# Altium PCB PCB1.PcbDoc
Units mm, origin at the board's own origin, x right, y up, seen from the top; angles counter-clockwise.
Board outline 95 x 45 mm, 2 copper layers (Top Layer, Bottom Layer); 61 components, 40 nets, 164 pads, 20 vias.
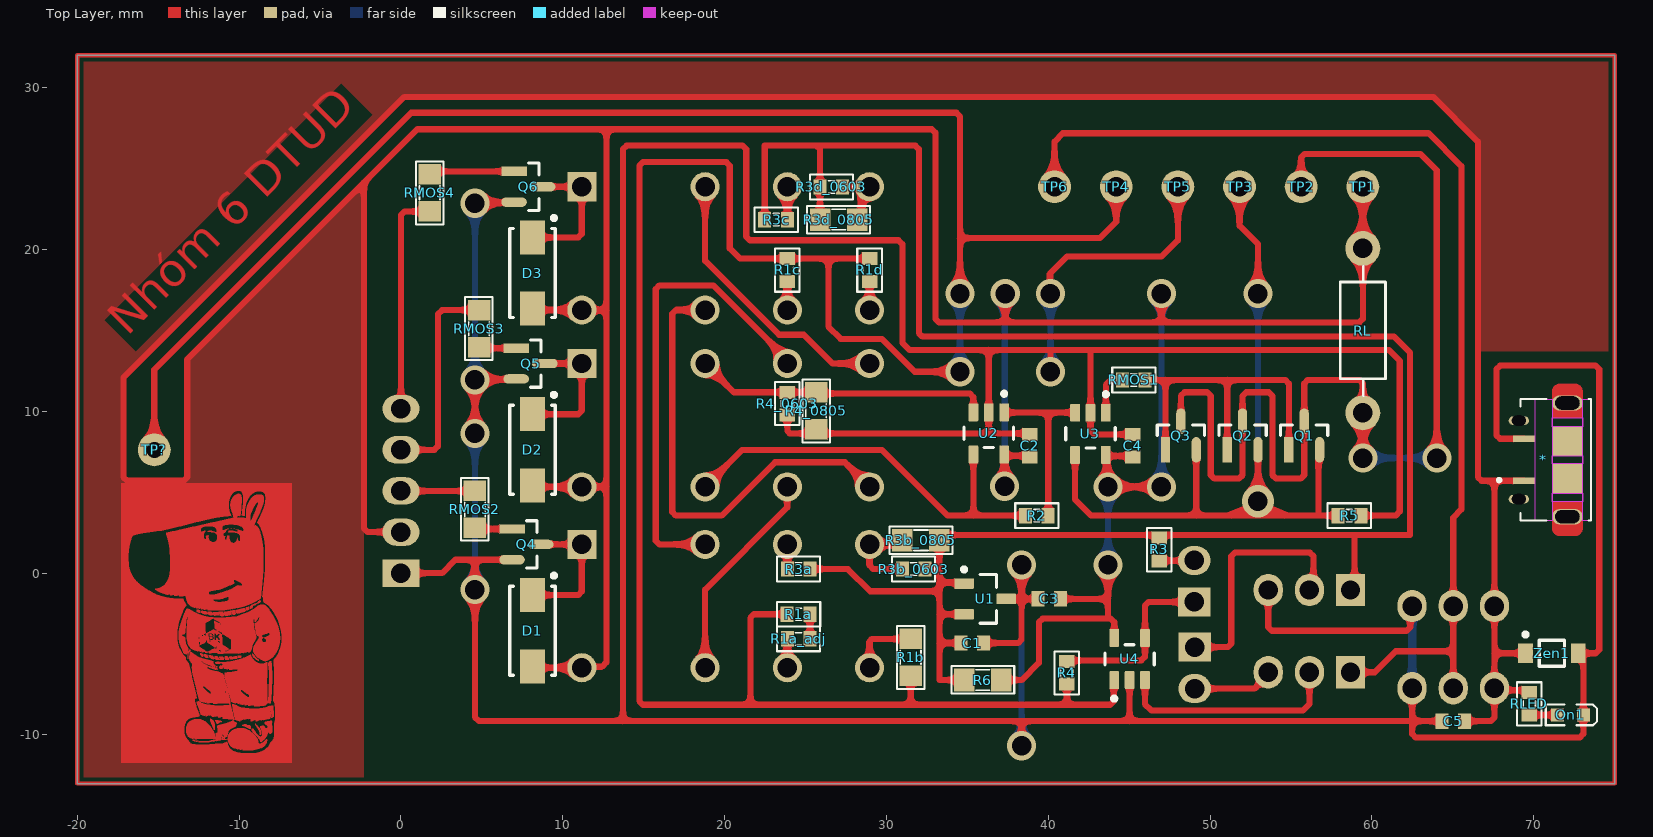
[diagram p0: Top Layer view]
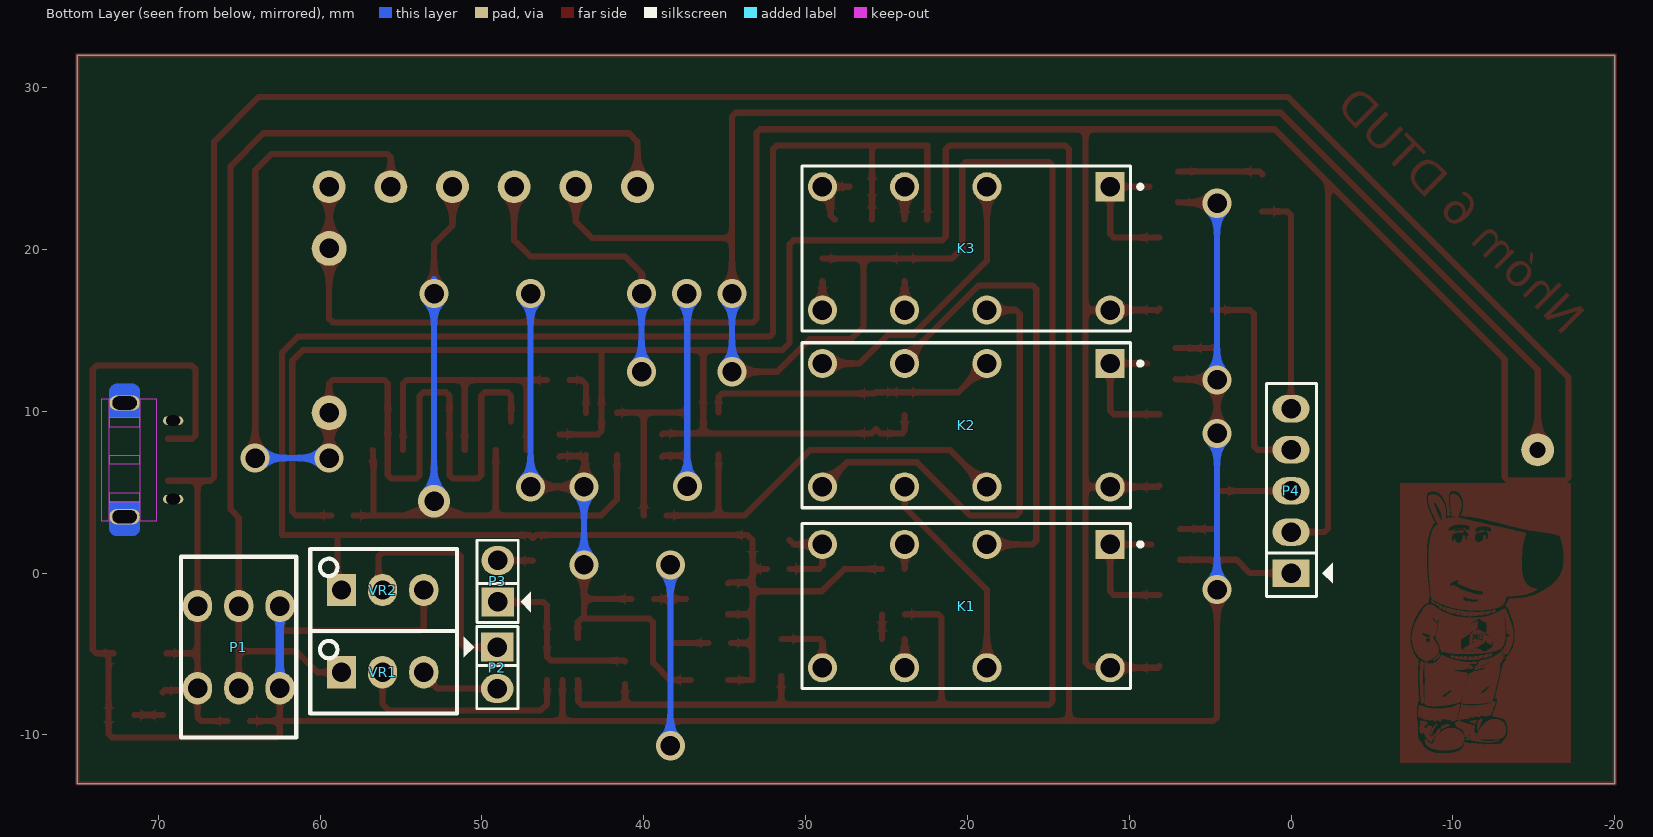
[diagram p1: Bottom Layer view, seen from below]
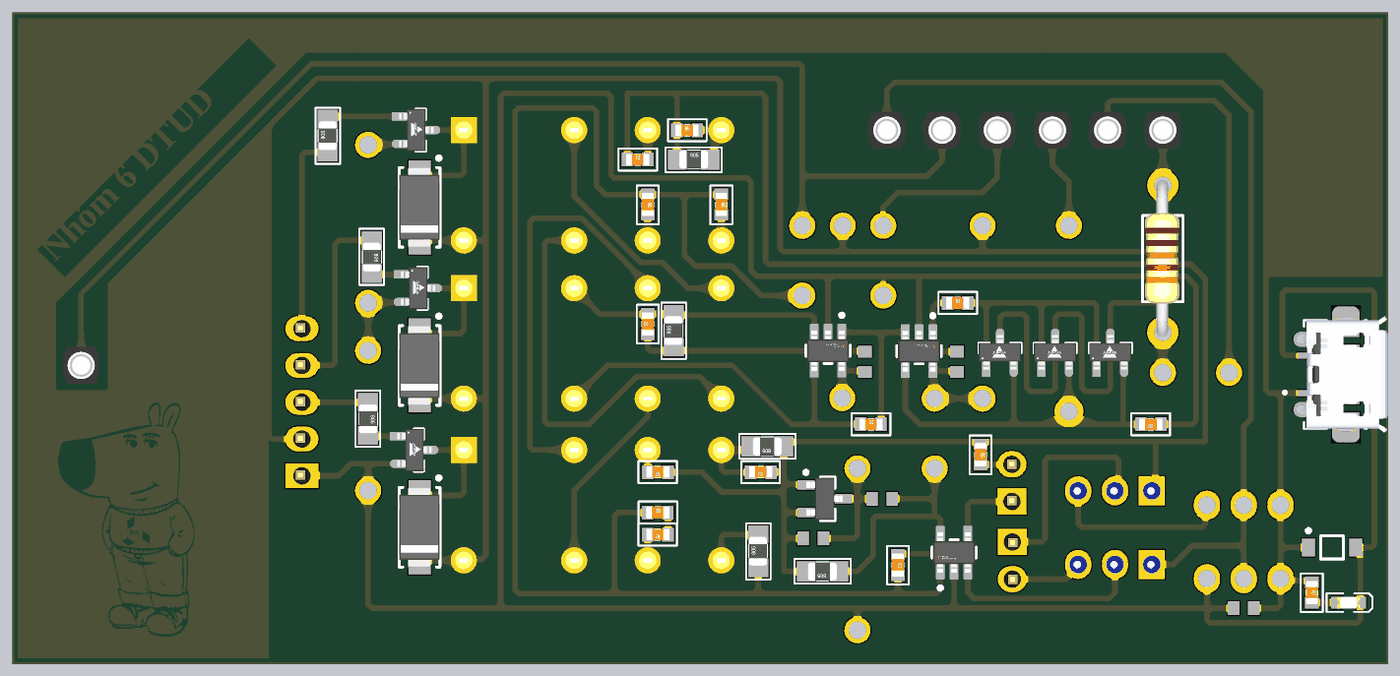
[diagram p2: 3D render of the assembled board from above, using the file's embedded part models]
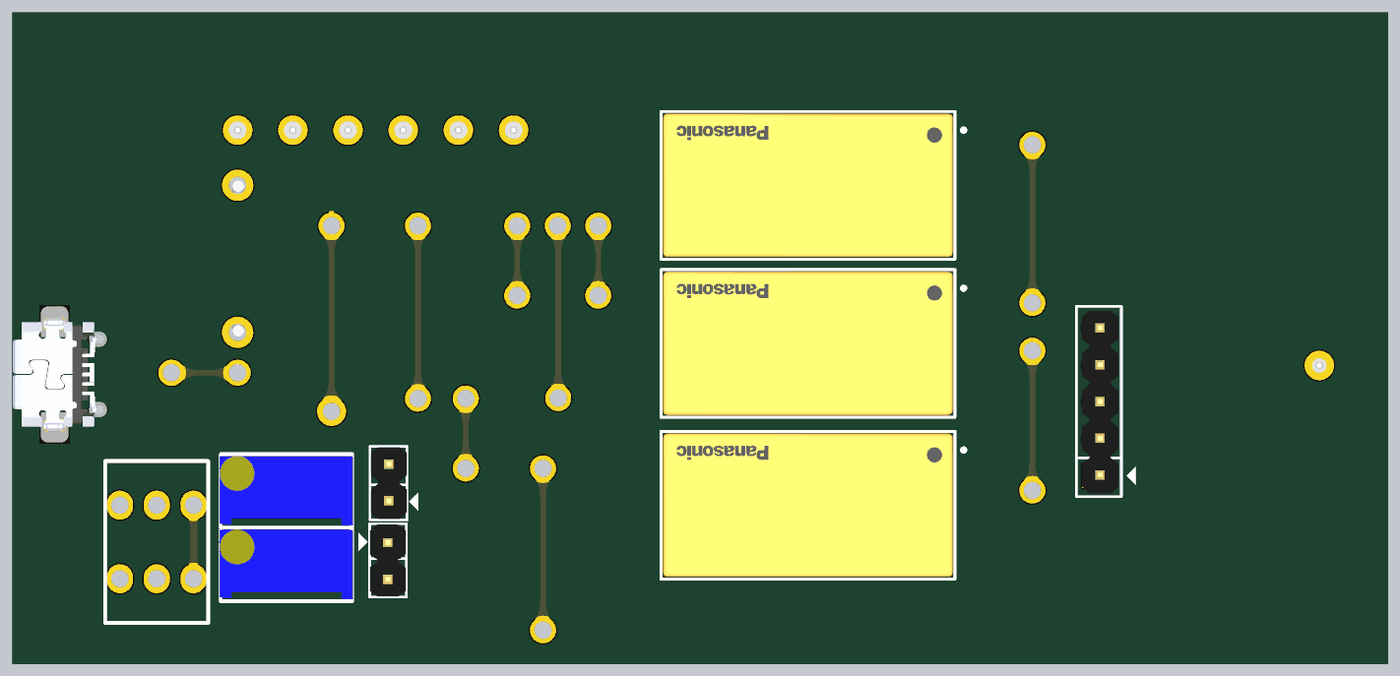
[diagram p3: 3D render of the assembled board from below, using the file's embedded part models]

## Layer stack, top to bottom
Top Solder: solder mask 0.0102, Solder Resist, Dk 3.5
Top Layer: signal copper 0.0356
Dielectric 1: dielectric 0.32, FR-4, Dk 4.8
Bottom Layer: signal copper 0.0356
Bottom Solder: solder mask 0.0102, Solder Resist, Dk 3.5

## Board outline
-20,-13 -20,32 75,32 75,-13

## Design rules (kind name [scope] priority, off if disabled: settings)
Clearance [All] p1: gap=0.254 ignorepadtopadclearanceinfootprint=FALSE
PolygonConnect [All] p1: connectstyle=Relief reliefconductorwidth=0.254 reliefentries=4 polygonreliefangle="90 Angle" airgapwidth=0.254
RoutingVias [All] p1: holewidth=1.2 width=1.8 viastyle="Through Hole" minholewidth=1.2 minwidth=1.8 maxholewidth=1.2 maxwidth=2
SolderMaskExpansion [All] p1: expansion=0.102 istentingtop=FALSE
SupplyNets "Schematic Supply Nets_5" [InNet('GND')] p1: voltage=0.000
SupplyNets "Schematic Supply Nets_4" [InNet('cd')] p2: voltage=0.000
SupplyNets "Schematic Supply Nets_3" [InNet('ab')] p3: voltage=0.000
SupplyNets "Schematic Supply Nets_2" [InNet('Vref')] p4: voltage=0.000
SupplyNets "Schematic Supply Nets_1" [InNet('bc')] p5: voltage=0.000
SupplyNets "Schematic Supply Nets" [InNet('VCC')] p6: voltage=0.000
Width [All] p1: maxlimit=0.762 minlimit=0.254 preferedwidth=0.508 toplayer_prefwidth=0.381 minimp=50.000000 maximp=50.000000 favimp=50.000000
30 further rules are at their usual default settings.

## Components (designator, comment, footprint, x,y, rotation, side; value= is the part's Value field where it differs from the comment)
* "USB_B" USB_B 72,7 r90 top
C1 "Cap Non-Pol SMD" CAP-SM-0603 35.306,-4.318 r180 top value=22u
C2 "Cap Non-Pol SMD" CAP-SM-0603 38.862,7.874 r270 top value=22u
C3 "Cap Non-Pol SMD" CAP-SM-0603 40.054,-1.59 r0 top value=22u
C4 "Cap Non-Pol SMD" CAP-SM-0603 45.212,7.874 r270 top value=22u
C5 "Cap Non-Pol SMD" CAP-SM-0603 65.024,-9.144 r0 top value=22u
D1 "D Schottky" SS34 8.128,-3.556 r270 top
D2 "D Schottky" SS34 8.128,7.62 r270 top
D3 "D Schottky" SS34 8.128,18.542 r270 top
K1 "HK19F-DC5V-SHG" FP-DS2Y-S-DC48V-MFG 20.066,-2.032 r0 bottom
K2 "HK19F-DC5V-SHG" FP-DS2Y-S-DC48V-MFG 20.066,9.144 r0 bottom
K3 "HK19F-DC5V-SHG" FP-DS2Y-S-DC48V-MFG 20.066,20.066 r0 bottom
On1 "LED SMD" LED_0603_Blue 72.263,-8.763 r0 top
P1 "Terminal Block" PCBComponent_1 67.564,-2.032 r270 bottom
P2 "Header 2" JP2 49.047,-4.572 r270 bottom
P3 "Header 2" JP2 49.022,-1.778 r90 bottom
P4 "Header 5" JP5 0,0 r90 bottom
Q1 "SI2302DS" FP-S-03946-IPC_B 55.814,8.505 r90 top
Q2 "SI2302DS" FP-S-03946-IPC_B 52.004,8.505 r90 top
Q3 "SI2302DS" FP-S-03946-IPC_B 48.194,8.505 r90 top
Q4 "SI2302DS" FP-S-03946-IPC_B 7.751,1.778 r0 top
Q5 "SI2302DS" FP-S-03946-IPC_B 8.005,12.954 r0 top
Q6 "SI2302DS" FP-S-03946-IPC_B 7.874,23.876 r0 top
R1a "RESISTOR SMD" RES-SM-0603 23.876,-2.54 r0 top value=1K
R1a_adj "RESISTOR SMD" RES-SM-0603 25.262,-4.064 r180 top value=1K
R1b "RESISTOR SMD" RES-SM-0805 31.496,-6.35 r90 top value=1K
R1c "RESISTOR SMD" RES-SM-0603 23.876,19.42 r270 top value=1K
R1d "RESISTOR SMD" RES-SM-0603 28.956,19.42 r270 top value=1K
R2 "RESISTOR SMD" RES-SM-0603 38.594,3.556 r0 top value=1K
R3 "RESISTOR SMD" RES-SM-0603 46.852,2.148 r270 top value=1K
R3a "RESISTOR SMD" RES-SM-0603 25.262,0.254 r180 top value=1K
R3b_0603 "RESISTOR SMD" RES-SM-0603 32.374,0.254 r180 top value=1K
R3b_0805 "RESISTOR SMD" RES-SM-0805 33.274,2.032 r180 top value=1K
R3c "RESISTOR SMD" RES-SM-0603 22.49,21.844 r0 top value=1K
R3d_0603 "RESISTOR SMD" RES-SM-0603 25.908,23.862 r0 top value=1K
R3d_0805 "RESISTOR SMD" RES-SM-0805 25.908,21.844 r0 top value=1K
R4 "RESISTOR SMD" RES-SM-0603 41.148,-5.472 r270 top value=1K
R4_0603 "RESISTOR SMD" RES-SM-0603 23.876,9.79 r90 top value=1K
R4_0805 "RESISTOR SMD" RES-SM-0805 25.654,8.89 r90 top value=1K
R5 "RESISTOR SMD" RES-SM-0603 59.298,3.556 r180 top value=1K
R6 "RESISTOR SMD" RES-SM-0805 37.084,-6.604 r180 top value=1K
RL "RESISTOR" "RES 1/2W" 59.436,9.906 r90 top value=1K
RLED "RESISTOR SMD" RES-SM-0603 69.723,-7.377 r270 top value=1K
RMOS1 "RESISTOR SMD" RES-SM-0603 44.588,11.938 r0 top value=1K
RMOS2 "RESISTOR SMD" RES-SM-0805 4.572,5.08 r270 top value=1K
RMOS3 "RESISTOR SMD" RES-SM-0805 4.826,16.256 r270 top value=1K
RMOS4 "RESISTOR SMD" RES-SM-0805 1.778,22.352 r90 top value=1K
TP1 "Test Point" TP#1 59.436,23.876 r180 top
TP2 "Test Point" TP#1 55.626,23.876 r180 top
TP3 "Test Point" TP#1 51.816,23.876 r180 top
TP4 "Test Point" TP#1 44.196,23.876 r180 top
TP5 "Test Point" TP#1 48.006,23.876 r180 top
TP6 "Test Point" TP#1 40.386,23.876 r180 top
TP? "Test Point" TP#2 -15.24,7.62 r180 top
U1 "TL431" DBZ0003A_M 36.098,-1.59 r0 top
U2 "OPA333" FP-DBV0005A-MFG 36.322,8.636 r270 top
U3 "OPA333" FP-DBV0005A-MFG 42.606,8.606 r270 top
U4 "OPA333" FP-DBV0005A-MFG 45.024,-5.304 r90 top
VR1 "10K" "VARISTOR 2" 56.134,-6.121 r180 bottom value="VR 10K"
VR2 "10K" "VARISTOR 2" 56.134,-1.041 r180 bottom value="VR 10K"
Zen1 "MMSZ4689T1G" ONSC-SOD-123-2-425-04_V 71.12,-4.953 r0 top

## Footprints (in the part's own frame and the unit in brackets; to place one, negate y for a bottom-side part, rotate by r counter-clockwise, add the part's x,y. Pads: shape width x height; smd on the part's side, far side on the other; paste and mask are expansions set on the pad)
CAP-SM-0603 [mm] "SMD Ceramic Capacitor Size 0603"
  rect 0.8x0.95 smd: 1(-0.7,0) 2(0.7,0)
  body extent -0.85,-0.45 0.85,0.45, height 0.6
DBZ0003A_M [mm] "SOT23, 3-Leads, Body 3.04x1.4mm, Pitch 0.95mm, IPC Low Density"
  rrect15% 1.2x0.65 smd: 1(-1.3,0.95) 2(-1.3,-0.95) 3(1.3,0)
  silkscreen extent -1.42,-1.5 0.7,1.95, body extent -1.26,-1.46 1.26,1.46, height 0.96
FP-DBV0005A-MFG [mm]
  rrect17% 1.1x0.6 smd paste+0 mask+0: 1(-1.3,0.95) 2(-1.3,0) 3(-1.3,-0.95) 4(1.3,-0.95) 5(1.3,0.95)
  silkscreen extent -2.57,-1.53 0.87,1.53, body extent -1.95,-1.78 1.95,1.78, height 0.25
FP-DS2Y-S-DC48V-MFG [mm]
  rect 1.8x1.8 hole 1.2 paste-2539.97 mask+0: 1(-8.89,-3.81)
  round 1.8 hole 1.2 paste-2539.97 mask+0: 4(-1.27,-3.81) 6(3.81,-3.81) 8(8.89,-3.81) 9(8.89,3.81) 11(3.81,3.81) 13(-1.27,3.81) 16(-8.89,3.81)
  silkscreen extent -10.87,-5.1 10.15,5.1, body extent -10,-4.95 10,4.95, height 10.5
FP-S-03946-IPC_B [mm]
  rect 1.574x0.576 smd paste+0 mask+0: 1(-0.885,0.95)
  rrect100% 1.574x0.576 smd paste+0 mask+0: 2(-0.885,-0.95) 3(0.885,0)
  silkscreen extent 0,-1.46 0.65,1.46, body extent -1.92,-1.71 1.92,1.71, height 0.25
JP2 [mm]
  rect 1.8x2 hole 1.2: 1(0,0)
  oval 1.8x2 hole 1.2: 2(2.565,0)
  silkscreen extent -1.27,-2.06 3.81,1.27, body extent -1.22,-1.27 3.76,1.23, height 8.22
JP5 [mm] "JP5"
  rect 1.7x2.286 hole 1.2: 1(0,0)
  oval 1.7x2.286 hole 1.2: 2(2.54,0) 3(5.08,0) 4(7.62,0) 5(10.16,0)
  silkscreen extent -1.45,-2.57 11.71,1.52, body extent -1.22,-1.36 11.38,1.14, height 8.22
LED_0603_Blue [mm] "Chip LED, 2-Leads, Body 1.6x0.8mm, IPC Medium Density"
  rect 0.8x0.8 smd: 1(-0.8,0) 2(0.8,0)
  silkscreen extent -1.52,-0.64 1.65,0.64, body extent -0.8,-0.4 0.8,0.4, height 0.7
ONSC-SOD-123-2-425-04_V [mm] "SOD, 2-Leads, Body 2.69x1.6mm"
  rect 0.91x1.22 smd: 1(-1.635,0) 2(1.635,0)
  silkscreen extent -1.76,-0.8 0.78,1.28, body extent -1.35,-0.8 1.35,0.8, height 1.35
PCBComponent_1 [mm]
  oval 2x1.8 hole 1.2: 1(0,0) 1(5.08,0) 2(0,2.54) 2(5.08,2.54) 3(0,5.08) 3(5.08,5.08)
  silkscreen extent -3.05,-1.02 8.13,6.1
"RES 1/2W" [mil] "R 1/2W, 2 pin, 300mil"
  round 85 hole 47.24: 1(0,0) 2(400,0)
  silkscreen extent 42,-55 356,55, body extent -12,-45 414,49, height 91
RES-SM-0603 [mm]
  rect 0.8x0.95 smd: 1(-0.014,0) 2(1.386,0)
  silkscreen extent -0.64,-0.76 2.03,0.76, body extent -0.11,-0.4 1.49,0.4, height 0.3
RES-SM-0805 [mil]
  rect 50x55 smd: 1(0,0) 2(90,0)
  silkscreen extent -32,-34 121,33, body extent 6,-25 84,25, height 31
SS34 [mm] "DO-214-AC/SMA Molded Diode, Body 5.3x2.6mm, IPC Medium Density"
  rect 2.1x1.55 smd: 1(-2.2,0) 2(2.2,0)
  silkscreen extent -3.52,-1.4 2.75,1.45, body extent -2.75,-1.42 2.75,1.38, height 2.3
TP#1 [mil] "Connect 1"
  round 80 hole 47.24: TP1(0,0)
  body extent -50,-50 50,50, height 179
TP#2 [mil] "Connect 1"
  round 80 hole 39: TP1(0,0)
  body extent -50,-50 50,50, height 179
USB_B [mm]
  rect 0.4x1.35 smd mask+0.1: 1(-1.3,2.6) 5(1.3,2.6)
  oval 0.95x1.9 hole 0.825 slot 1.5 at 90 deg mask+0.1: 6(-3.512,-0.075) 6(3.512,-0.075)
  oval 0.525x1.25 hole 0.65 slot 0.85 at 90 deg mask+0.1: 6(-2.425,2.925) 6(2.425,2.925)
  rect 1.8x1.9 smd mask+0.1: 6(-1.15,-0.075) 6(1.15,-0.075)
  Top Layer region: -2.6,-0.075 -3.1,-0.075 -3.1,0.375 -3.1,0.391 -3.102,0.406 -3.104,0.422 -3.107,0.437 -3.11,0.453 -3.115,0.468 -3.12,0.483 -3.126,0.497 -3.133,0.511 -3.14,0.525 -3.148,0.538 -3.157,0.551 -3.167,0.564 -3.177,0.576 -3.188,0.587 -3.199,0.598 -3.211,0.608 -3.224,0.618 -3.237,0.627 -3.25,0.635 -3.264,0.642 -3.278,0.649 -3.292,0.655 -3.307,0.66 -3.322,0.665 -3.338,0.668 -3.353,0.671 -3.369,0.673 -3.384,0.675 -3.641,0.675 -3.656,0.673 -3.672,0.671 -3.687,0.668 -3.703,0.665 -3.718,0.66 -3.733,0.655 -3.747,0.649 -3.761,0.642 -3.775,0.635 -3.788,0.627 -3.801,0.618 -3.814,0.608 -3.826,0.598 -3.837,0.587 -3.848,0.576 -3.858,0.564 -3.868,0.551 -3.877,0.538 -3.885,0.525 -3.892,0.511 -3.899,0.497 -3.905,0.483 -3.91,0.468 -3.915,0.453 -3.918,0.437 -3.921,0.422 -3.923,0.406 -3.925,0.391 -3.925,0.375 -3.925,-0.075 -4.7,-0.075 -4.7,0.375 -4.699,0.401 -4.697,0.427 -4.694,0.453 -4.689,0.479 -4.683,0.504 -4.676,0.53 -4.667,0.554 -4.657,0.578 -4.646,0.602 -4.633,0.625 -4.619,0.647 -4.605,0.669 -4.589,0.69 -4.572,0.71 -4.554,0.729 -4.535,0.747 -4.515,0.764 -4.494,0.78 -4.472,0.794 -4.45,0.808 -4.427,0.821 -4.403,0.832 -4.379,0.842 -4.355,0.851 -4.329,0.858 -4.304,0.864 -4.278,0.869 -4.252,0.872 -4.226,0.874 -4.2,0.875 -2.6,0.875
  Top Layer region: 4.7,-0.525 4.699,-0.551 4.697,-0.577 4.694,-0.603 4.689,-0.629 4.683,-0.654 4.676,-0.68 4.667,-0.704 4.657,-0.728 4.646,-0.752 4.633,-0.775 4.619,-0.797 4.605,-0.819 4.589,-0.84 4.572,-0.86 4.554,-0.879 4.535,-0.897 4.515,-0.914 4.494,-0.93 4.472,-0.944 4.45,-0.958 4.427,-0.971 4.403,-0.982 4.379,-0.992 4.355,-1.001 4.329,-1.008 4.304,-1.014 4.278,-1.019 4.252,-1.022 4.226,-1.024 4.2,-1.025 2.6,-1.025 2.6,-0.075 3.1,-0.075 3.1,-0.525 3.1,-0.541 3.102,-0.556 3.104,-0.572 3.107,-0.587 3.11,-0.603 3.115,-0.618 3.12,-0.633 3.126,-0.647 3.133,-0.661 3.14,-0.675 3.148,-0.688 3.157,-0.701 3.167,-0.714 3.177,-0.726 3.188,-0.737 3.199,-0.748 3.211,-0.758 3.224,-0.768 3.237,-0.777 3.25,-0.785 3.264,-0.792 3.278,-0.799 3.292,-0.805 3.307,-0.81 3.322,-0.815 3.338,-0.818 3.353,-0.821 3.369,-0.823 3.384,-0.825 3.641,-0.825 3.656,-0.823 3.672,-0.821 3.687,-0.818 3.703,-0.815 3.718,-0.81 3.733,-0.805 3.747,-0.799 3.761,-0.792 3.775,-0.785 3.788,-0.777 3.801,-0.768 3.814,-0.758 3.826,-0.748 3.837,-0.737 3.848,-0.726 3.858,-0.714 3.868,-0.701 3.877,-0.688 3.885,-0.675 3.892,-0.661 3.899,-0.647 3.905,-0.633 3.91,-0.618 3.915,-0.603 3.918,-0.587 3.921,-0.572 3.923,-0.556 3.925,-0.541 3.925,-0.525 3.925,-0.075 4.7,-0.075
  Top Layer region: -2.6,-1.025 -4.2,-1.025 -4.226,-1.024 -4.252,-1.022 -4.278,-1.019 -4.304,-1.014 -4.329,-1.008 -4.355,-1.001 -4.379,-0.992 -4.403,-0.982 -4.427,-0.971 -4.45,-0.958 -4.472,-0.944 -4.494,-0.93 -4.515,-0.914 -4.535,-0.897 -4.554,-0.879 -4.572,-0.86 -4.589,-0.84 -4.605,-0.819 -4.619,-0.797 -4.633,-0.775 -4.646,-0.752 -4.657,-0.728 -4.667,-0.704 -4.676,-0.68 -4.683,-0.654 -4.689,-0.629 -4.694,-0.603 -4.697,-0.577 -4.699,-0.551 -4.7,-0.525 -4.7,-0.075 -3.925,-0.075 -3.925,-0.55 -3.925,-0.564 -3.923,-0.579 -3.922,-0.593 -3.919,-0.607 -3.916,-0.621 -3.912,-0.635 -3.907,-0.649 -3.901,-0.662 -3.895,-0.675 -3.888,-0.688 -3.881,-0.7 -3.872,-0.712 -3.864,-0.723 -3.854,-0.734 -3.844,-0.744 -3.834,-0.754 -3.823,-0.764 -3.812,-0.772 -3.8,-0.781 -3.787,-0.788 -3.775,-0.795 -3.762,-0.801 -3.749,-0.807 -3.735,-0.812 -3.721,-0.816 -3.707,-0.819 -3.693,-0.822 -3.679,-0.823 -3.664,-0.825 -3.384,-0.825 -3.369,-0.823 -3.353,-0.821 -3.338,-0.818 -3.322,-0.815 -3.307,-0.81 -3.292,-0.805 -3.278,-0.799 -3.264,-0.792 -3.25,-0.785 -3.237,-0.777 -3.224,-0.768 -3.211,-0.758 -3.199,-0.748 -3.188,-0.737 -3.177,-0.726 -3.167,-0.714 -3.157,-0.701 -3.148,-0.688 -3.14,-0.675 -3.133,-0.661 -3.126,-0.647 -3.12,-0.633 -3.115,-0.618 -3.11,-0.603 -3.107,-0.587 -3.104,-0.572 -3.102,-0.556 -3.1,-0.541 -3.1,-0.525 -3.1,-0.075 -2.6,-0.075
  Top Layer region: 4.226,0.874 4.252,0.872 4.278,0.869 4.304,0.864 4.329,0.858 4.355,0.851 4.379,0.842 4.403,0.832 4.427,0.821 4.45,0.808 4.472,0.794 4.494,0.78 4.515,0.764 4.535,0.747 4.554,0.729 4.572,0.71 4.589,0.69 4.605,0.669 4.619,0.647 4.633,0.625 4.646,0.602 4.657,0.578 4.667,0.554 4.676,0.53 4.683,0.504 4.689,0.479 4.694,0.453 4.697,0.427 4.699,0.401 4.7,0.375 4.7,-0.075 3.925,-0.075 3.925,0.4 3.925,0.414 3.923,0.429 3.922,0.443 3.919,0.457 3.916,0.471 3.912,0.485 3.907,0.499 3.901,0.512 3.895,0.525 3.888,0.538 3.881,0.55 3.872,0.562 3.864,0.573 3.854,0.584 3.844,0.594 3.834,0.604 3.823,0.614 3.812,0.622 3.8,0.631 3.787,0.638 3.775,0.645 3.762,0.651 3.749,0.657 3.735,0.662 3.721,0.666 3.707,0.669 3.693,0.672 3.679,0.673 3.664,0.675 3.384,0.675 3.369,0.673 3.353,0.671 3.338,0.668 3.322,0.665 3.307,0.66 3.292,0.655 3.278,0.649 3.264,0.642 3.25,0.635 3.237,0.627 3.224,0.618 3.211,0.608 3.199,0.598 3.188,0.587 3.177,0.576 3.167,0.564 3.157,0.551 3.148,0.538 3.14,0.525 3.133,0.511 3.126,0.497 3.12,0.483 3.115,0.468 3.11,0.453 3.107,0.437 3.104,0.422 3.102,0.406 3.1,0.391 3.1,0.375 3.1,-0.075 2.6,-0.075 2.6,0.875 4.2,0.875
  Bottom Layer region: -2.6,-0.075 -3.1,-0.075 -3.1,0.375 -3.1,0.391 -3.102,0.406 -3.104,0.422 -3.107,0.437 -3.11,0.453 -3.115,0.468 -3.12,0.483 -3.126,0.497 -3.133,0.511 -3.14,0.525 -3.148,0.538 -3.157,0.551 -3.167,0.564 -3.177,0.576 -3.188,0.587 -3.199,0.598 -3.211,0.608 -3.224,0.618 -3.237,0.627 -3.25,0.635 -3.264,0.642 -3.278,0.649 -3.292,0.655 -3.307,0.66 -3.322,0.665 -3.338,0.668 -3.353,0.671 -3.369,0.673 -3.384,0.675 -3.641,0.675 -3.656,0.673 -3.672,0.671 -3.687,0.668 -3.703,0.665 -3.718,0.66 -3.733,0.655 -3.747,0.649 -3.761,0.642 -3.775,0.635 -3.788,0.627 -3.801,0.618 -3.814,0.608 -3.826,0.598 -3.837,0.587 -3.848,0.576 -3.858,0.564 -3.868,0.551 -3.877,0.538 -3.885,0.525 -3.892,0.511 -3.899,0.497 -3.905,0.483 -3.91,0.468 -3.915,0.453 -3.918,0.437 -3.921,0.422 -3.923,0.406 -3.925,0.391 -3.925,0.375 -3.925,-0.075 -4.7,-0.075 -4.7,0.375 -4.699,0.401 -4.697,0.427 -4.694,0.453 -4.689,0.479 -4.683,0.504 -4.676,0.53 -4.667,0.554 -4.657,0.578 -4.646,0.602 -4.633,0.625 -4.619,0.647 -4.605,0.669 -4.589,0.69 -4.572,0.71 -4.554,0.729 -4.535,0.747 -4.515,0.764 -4.494,0.78 -4.472,0.794 -4.45,0.808 -4.427,0.821 -4.403,0.832 -4.379,0.842 -4.355,0.851 -4.329,0.858 -4.304,0.864 -4.278,0.869 -4.252,0.872 -4.226,0.874 -4.2,0.875 -2.6,0.875
  Bottom Layer region: 4.7,-0.525 4.699,-0.551 4.697,-0.577 4.694,-0.603 4.689,-0.629 4.683,-0.654 4.676,-0.68 4.667,-0.704 4.657,-0.728 4.646,-0.752 4.633,-0.775 4.619,-0.797 4.605,-0.819 4.589,-0.84 4.572,-0.86 4.554,-0.879 4.535,-0.897 4.515,-0.914 4.494,-0.93 4.472,-0.944 4.45,-0.958 4.427,-0.971 4.403,-0.982 4.379,-0.992 4.355,-1.001 4.329,-1.008 4.304,-1.014 4.278,-1.019 4.252,-1.022 4.226,-1.024 4.2,-1.025 2.6,-1.025 2.6,-0.075 3.1,-0.075 3.1,-0.525 3.1,-0.541 3.102,-0.556 3.104,-0.572 3.107,-0.587 3.11,-0.603 3.115,-0.618 3.12,-0.633 3.126,-0.647 3.133,-0.661 3.14,-0.675 3.148,-0.688 3.157,-0.701 3.167,-0.714 3.177,-0.726 3.188,-0.737 3.199,-0.748 3.211,-0.758 3.224,-0.768 3.237,-0.777 3.25,-0.785 3.264,-0.792 3.278,-0.799 3.292,-0.805 3.307,-0.81 3.322,-0.815 3.338,-0.818 3.353,-0.821 3.369,-0.823 3.384,-0.825 3.641,-0.825 3.656,-0.823 3.672,-0.821 3.687,-0.818 3.703,-0.815 3.718,-0.81 3.733,-0.805 3.747,-0.799 3.761,-0.792 3.775,-0.785 3.788,-0.777 3.801,-0.768 3.814,-0.758 3.826,-0.748 3.837,-0.737 3.848,-0.726 3.858,-0.714 3.868,-0.701 3.877,-0.688 3.885,-0.675 3.892,-0.661 3.899,-0.647 3.905,-0.633 3.91,-0.618 3.915,-0.603 3.918,-0.587 3.921,-0.572 3.923,-0.556 3.925,-0.541 3.925,-0.525 3.925,-0.075 4.7,-0.075
  Bottom Layer region: -2.6,-1.025 -4.2,-1.025 -4.226,-1.024 -4.252,-1.022 -4.278,-1.019 -4.304,-1.014 -4.329,-1.008 -4.355,-1.001 -4.379,-0.992 -4.403,-0.982 -4.427,-0.971 -4.45,-0.958 -4.472,-0.944 -4.494,-0.93 -4.515,-0.914 -4.535,-0.897 -4.554,-0.879 -4.572,-0.86 -4.589,-0.84 -4.605,-0.819 -4.619,-0.797 -4.633,-0.775 -4.646,-0.752 -4.657,-0.728 -4.667,-0.704 -4.676,-0.68 -4.683,-0.654 -4.689,-0.629 -4.694,-0.603 -4.697,-0.577 -4.699,-0.551 -4.7,-0.525 -4.7,-0.075 -3.925,-0.075 -3.925,-0.55 -3.925,-0.564 -3.923,-0.579 -3.922,-0.593 -3.919,-0.607 -3.916,-0.621 -3.912,-0.635 -3.907,-0.649 -3.901,-0.662 -3.895,-0.675 -3.888,-0.688 -3.881,-0.7 -3.872,-0.712 -3.864,-0.723 -3.854,-0.734 -3.844,-0.744 -3.834,-0.754 -3.823,-0.764 -3.812,-0.772 -3.8,-0.781 -3.787,-0.788 -3.775,-0.795 -3.762,-0.801 -3.749,-0.807 -3.735,-0.812 -3.721,-0.816 -3.707,-0.819 -3.693,-0.822 -3.679,-0.823 -3.664,-0.825 -3.384,-0.825 -3.369,-0.823 -3.353,-0.821 -3.338,-0.818 -3.322,-0.815 -3.307,-0.81 -3.292,-0.805 -3.278,-0.799 -3.264,-0.792 -3.25,-0.785 -3.237,-0.777 -3.224,-0.768 -3.211,-0.758 -3.199,-0.748 -3.188,-0.737 -3.177,-0.726 -3.167,-0.714 -3.157,-0.701 -3.148,-0.688 -3.14,-0.675 -3.133,-0.661 -3.126,-0.647 -3.12,-0.633 -3.115,-0.618 -3.11,-0.603 -3.107,-0.587 -3.104,-0.572 -3.102,-0.556 -3.1,-0.541 -3.1,-0.525 -3.1,-0.075 -2.6,-0.075
  Bottom Layer region: 4.226,0.874 4.252,0.872 4.278,0.869 4.304,0.864 4.329,0.858 4.355,0.851 4.379,0.842 4.403,0.832 4.427,0.821 4.45,0.808 4.472,0.794 4.494,0.78 4.515,0.764 4.535,0.747 4.554,0.729 4.572,0.71 4.589,0.69 4.605,0.669 4.619,0.647 4.633,0.625 4.646,0.602 4.657,0.578 4.667,0.554 4.676,0.53 4.683,0.504 4.689,0.479 4.694,0.453 4.697,0.427 4.699,0.401 4.7,0.375 4.7,-0.075 3.925,-0.075 3.925,0.4 3.925,0.414 3.923,0.429 3.922,0.443 3.919,0.457 3.916,0.471 3.912,0.485 3.907,0.499 3.901,0.512 3.895,0.525 3.888,0.538 3.881,0.55 3.872,0.562 3.864,0.573 3.854,0.584 3.844,0.594 3.834,0.604 3.823,0.614 3.812,0.622 3.8,0.631 3.787,0.638 3.775,0.645 3.762,0.651 3.749,0.657 3.735,0.662 3.721,0.666 3.707,0.669 3.693,0.672 3.679,0.673 3.664,0.675 3.384,0.675 3.369,0.673 3.353,0.671 3.338,0.668 3.322,0.665 3.307,0.66 3.292,0.655 3.278,0.649 3.264,0.642 3.25,0.635 3.237,0.627 3.224,0.618 3.211,0.608 3.199,0.598 3.188,0.587 3.177,0.576 3.167,0.564 3.157,0.551 3.148,0.538 3.14,0.525 3.133,0.511 3.126,0.497 3.12,0.483 3.115,0.468 3.11,0.453 3.107,0.437 3.104,0.422 3.102,0.406 3.1,0.391 3.1,0.375 3.1,-0.075 2.6,-0.075 2.6,0.875 4.2,0.875
  Keep-Out Layer region: -2.05,-1.025 -2.6,-1.025 -2.6,0.875 -2.05,0.875
  Keep-Out Layer region: 0.25,-1.025 -0.25,-1.025 -0.25,0.875 0.25,0.875
  Keep-Out Layer region: 2.6,-1.025 2.05,-1.025 2.05,0.875 2.6,0.875
  Keep-Out Layer region: 3.75,0.875 -3.75,0.875 -3.75,1.925 3.75,1.925
  Keep-Out Layer region: -2.05,-1.025 -2.6,-1.025 -2.6,0.875 -2.05,0.875
  Keep-Out Layer region: 0.25,-1.025 -0.25,-1.025 -0.25,0.875 0.25,0.875
  Keep-Out Layer region: 2.6,-1.025 2.05,-1.025 2.05,0.875 2.6,0.875
  Keep-Out Layer region: 3.75,-1.525 -3.75,-1.525 -3.75,-1.025 3.75,-1.025
  silkscreen extent -3.75,-1.53 3.75,4.24, body extent -4.05,-2.95 4.05,2.85, height 1.48
"VARISTOR 2" [mm] "Resistor Variable"
  rect 1.8x2 hole 1.2: 1(-2.54,0)
  oval 1.8x2 hole 1.2: 2(0,0) 3(2.54,0)
  silkscreen extent -4.47,-2.54 4.6,2.54, body extent -4.54,-2.4 4.66,2.4, height 12.02

## Part data
C1 C2 C3 C4 C5: "Capacitor"
D1 D2 D3: "Schottky Diode", Code_JEDEC=DO-214-AA, LatestRevisionDate=17-Jul-2002, LatestRevisionNote="Re-released for DXP Platform.", PackageDescription="DO-214-AA/SMB; 2 C-Bend Leads; Body 5.3 x 3.6 mm, inc. leads (LxW)", PackageReference=SMB, Published=8-Jun-2000, Publisher="Altium Limited"
K1 K2 K3: library part CMP-05607-000125-1, "RELAY GEN PURPOSE DPDT 2A 48VDC", Case/Package=DIP, Coil Current=6.3mA, Coil Power=300mW, Coil Resistance=7.68kR, Coil Voltage (DC)=48V, Contact Current Rating=2A, Max Operating Temperature=70°C, Max Voltage Rating (AC)=250V, Max Voltage Rating (DC)=220V, Min Operating Temperature=-40°C, Package Quantity=50, Power Consumption=200mW, Coil Type=Non-Latching, Contact Material=Gold, Contact Plating=Gold, Depth=9.9mm, Height=9.3mm, Lead Free="Lead Free", Length=20mm, Max Current Rating=2A, Mount="Through Hole", Number of Pins=8, Operate Time=4ms, Packaging=Rail/Tube, Radiation Hardening=No, Relay Function=DPDT, Relay Type="General Purpose", Release Time=3ms, Rise Time=4ms, RoHS Compliant=No, Series=DS2Y, Termination="PC Pin", Throw Configuration=DPDT, Voltage Rating (AC)=250V, Voltage Rating (DC)=220V, Weight=4g, Width=9.9mm
On1: "LED"
P1: "KF141-2.54-3-R"
P2 P3: "Header, 2-Pin", LatestRevisionDate=17-Jul-2002, LatestRevisionNote="Re-released for DXP Platform.", Publisher="Altium Limited"
P4: "Header, 5-Pin", LatestRevisionDate=17-Jul-2002, LatestRevisionNote="Re-released for DXP Platform.", Publisher="Altium Limited"
Q1 Q2 Q3 Q4 Q5 Q6: library part CMP-02550-000243-1, "MOSFET N-CH 20V 2.9A SOT23-3", Case/Package=SOT-23, Continuous Drain Current (ID)=2.6A, Drain to Source Resistance=57mR, Drain to Source Voltage (Vdss)=20V, Gate to Source Voltage (Vgs)=8V, Max Operating Temperature=150°C, Max Power Dissipation=710mW, Min Operating Temperature=-55°C, Package Quantity=3000, Fall Time=7ns, Lead Free="Lead Free", Mount="Surface Mount", Number of Channels=1, Number of Elements=1, Number of Pins=3, Packaging="Tape and Reel", Power Dissipation=710mW, REACH SVHC="No SVHC", Rise Time=7ns, RoHS Compliant=Yes, Turn-Off Delay Time=30ns, Turn-On Delay Time=8ns, Weight=0.050717oz
R1a R1a_adj R1b R1c R1d R2 R3 R3a R3b_0603 R3b_0805 R3c R3d_0603 R3d_0805 R4 R4_0603 R4_0805 R5 R6 RL RLED RMOS1 RMOS2 RMOS3 RMOS4: "Resistor"
U1: library part CMP-0366-01210-2, "Adjustable Precision Shunt Regulator, 34 ppm / degC, 100 mA, -40 to 125 degC, 3-pin SOT-23 (DBZ), Green (RoHS & no Sb/Br)", Manufacturer="Texas Instruments", PartNumber=TL431AQDBZR, Rating=Catalog, Temp Coeff(Max)(ppm/ degree C)=92, Temp Coeff(Typ)(ppm/ degree C)=34, Code_JEDEC=TO-236, ComponentLink1Description="Manufacturer URL", ComponentLink1URL=http://www.ti.com/, ComponentLink2Description=Datasheet, ComponentLink2URL=http://www.ti.com/general/docs/lit/getliterature.tsp?genericPartNumber=TL431A&fileType=pdf, ComponentLink3Description="Package Specification", ComponentLink3URL=http://www.ti.com/litv/pdf/mpds108a, DatasheetVersion=SLVS543M, Eco-Plan="Green (RoHS & no Sb/Br)", Initial Accuracy @ 25/deg C(%)=1, Iout/Iz(Max)(mA)=100, Min Iz for Regulation(uA)=600, Mounting Technology="Surface Mount", PackageDescription="3-Pin Plastic Small Outline, Body 2.92 x 1.3 mm, Pitch 0.95 mm", PackageReference=DBZ0003A, PackageVersion=4203227/B, SubFamily="Shunt Voltage Reference", VO Adj(Max)(V)=36, VO Adj(Min)(V)=2.495
U2 U3 U4: library part CMP-0272-00862-4, "IC OPAMP ZER-DRIFT 1CIRC SOT23-5", Case/Package=SOT-23-5, Input Bias Current=200pA, Input Offset Voltage (Vos)=10uV, Max Dual Supply Voltage=2.75V, Max Operating Temperature=125°C, Max Supply Voltage=5.5V, Min Dual Supply Voltage=900mV, Min Operating Temperature=-40°C, Min Supply Voltage=1.8V, Nominal Supply Current=25uA, Operating Supply Current=17uA, Output Current=5mA, Package Quantity=1, Power Supply Rejection Ratio (PSRR)=120dB, Voltage Gain=130dB, Bandwidth=350kHz, Common Mode Rejection Ratio=106dB, Contact Plating=Gold, Gain Bandwidth Product=350kHz, Lead Free="Lead Free", Max I/O Voltage=10uV, Number of Amplifiers=1, Number of Channels=1, Number of Circuits=1, Number of Elements=1, Number of Pins=5, Operating Supply Voltage=2.75V, Output Current per Channel=5mA, Packaging="Tape and Reel", Radiation Hardening=No, REACH SVHC="No SVHC", Slew Rate=0.16V/µs, Unity Gain Bandwidth Product=350kHz
VR1 VR2: library part "Var Resistor", "Var Resistor"
Zen1: library part CMP-004-00031-1, "Zener Diode, 5.1V V(Z), 5%, 0.5W, Silicon, Unidirectional", Max Operating Temperature=150°C, Min Operating Temperature=-55°C, Pins=2, RoHS Compliant=Yes

## Via types
v1: diameter 1.8, hole 1.2, Top Layer to Bottom Layer, 19 vias
v2: diameter 2, hole 1.2, Top Layer to Bottom Layer, 1 vias

## Nets (pads, with @x,y where several pads share a name; then routed paths per layer and width w, separated by ;. In a path a pad name is that pad's centre, name@x,y a point inside that pad or via, vN(x,y) a via of type N, cw(c..) or ccw(c..) an arc to the next point about the centre after c; other vN are vias at no path point)
ab: D1.1 K1.1 Q4.3 | length 8.6
  Top Layer w0.381: D1.1 10.953,-1.356 11.176,-1.133 K1.1 Q4.3
bc: D2.1 K2.1 Q5.3 | length 8.3
  Top Layer w0.381: D2.1 10.953,9.82 11.176,10.043 K2.1 Q5.3
cd: D3.1 K3.1 Q6.3 | length 8.5
  Top Layer w0.381: D3.1 10.953,20.742 11.176,20.965 K3.1 Q6.3
GND: *.5 C1.1 C2.1 C3.1 C4.1 C5.1 On1.2 P1.3 P4.1 Q4.2 Q5.2 Q6.2 R4_0603.1 R4_0805.1 R5.1 TP5.TP1 U1.3 U2.2 U3.2 U4.2 VR2.3 Zen1.2 | length 353.1
  Top Layer w0.381: P4.1 2.54,0 3.368,0.828 4.572,0.828 ; v1(4.572,8.636) v1(4.572,11.938) 4.605,11.971 7.087,11.971 Q5.2 ; v1(4.572,22.86) 4.605,22.893 6.956,22.893 Q6.2 ; Q4.2 4.572,0.828 ; R4_0603.1 23.876,8.785 24.025,8.636 25.4,8.636 R4_0805.1 25.908,8.636 36.322,8.636 ; C1.1 38.131,-4.318 38.354,-4.095 38.354,-1.59 ; U1.3 38.354,-1.59 ; v1(38.354,-10.668) 38.354,-9.144 ; v1(38.354,0.508) 38.354,-1.59 ; C2.1 38.8,8.636 36.322,8.636 ; C3.1 38.354,-1.59 ; v1@40.132,12.192 40.132,13.589 ; v1(40.132,17.272) 40.11,17.294 40.11,18.52 41.148,19.558 46.99,19.558 48.006,20.574 TP5.TP1 ; 42.606,13.622 U3.2 42.606,8.797 42.829,8.574 C4.1 ; U4.2 45.024,-9.144 ; VR2.3 53.594,-3.333 53.817,-3.556 62.143,-3.556 62.366,-3.333 P1.3@62.366,-2.15 ; R5.1 61.468,3.556 61.722,3.81 61.722,13.112 61.043,13.791 36.322,13.791 ; 62.261,-9.144 45.024,-9.144 ; P1.3@62.484,-7.112 62.484,-9.144 ; C5.1 62.484,-9.144 ; *.5 67.914,8.3 67.691,8.523 67.691,12.604 67.914,12.827 73.818,12.827 74.041,12.604 74.041,-4.73 73.818,-4.953 Zen1.2@73.063,-4.953 ; Zen1.2 Zen1.2@73.063,-4.953 ; 4.572,0.828 v1(4.572,-1.016) 4.572,-8.89 4.826,-9.144 13.716,-9.144 ; 13.716,-9.144 38.354,-9.144 ; 13.716,-9.144 13.716,26.193 13.939,26.416 21.113,26.416 21.336,26.193 21.336,20.797 21.559,20.574 30.734,20.574 30.988,20.32 30.988,14.224 31.421,13.791 36.322,13.791 ; 36.322,8.636 U2.2 36.322,13.791 ; 38.354,-9.144 45.024,-9.144 ; 62.484,-9.144 62.484,-9.937 62.707,-10.16 72.84,-10.16 73.063,-9.937 On1.2 Zen1.2@73.063,-4.953
  Bottom Layer w0.381: v1(4.572,-1.016) v1(4.572,8.636) ; v1(4.572,11.938) v1(4.572,22.86) ; v1(38.354,-10.668) v1(38.354,0.508) ; v1@40.132,12.192 v1(40.132,17.272)
  Bottom Layer w0.508: P1.3@62.484,-7.112 P1.3@62.484,-2.032
  other v1: 40.132,12.446
NetK1_4: K1.4 K2.6 | length 29.1
  Top Layer w0.381: K1.4 15.971,1.778 15.748,2.001 15.748,17.557 15.971,17.78 19.304,17.78 23.876,13.208 K2.6
NetK1_6: K1.6 R3a.2 | length 1.5
  Top Layer w0.381: R3a.2 K1.6
NetK1_8: K1.8 R3b_0603.2 R3b_0805.2 | length 5.6
  Top Layer w0.381: R3b_0603.2 29.179,0.254 28.956,0.477 K1.8 30.734,1.778 R3b_0805.2
NetK1_9: K1.9 R1b.2 | length 4.2
  Top Layer w0.381: K1.9 28.956,-4.214 29.105,-4.065 R1b.2
NetK1_11: K1.11 R1a_adj.2 | length 1.8
  Top Layer w0.381: K1.11 R1a_adj.2
NetK1_13: K1.13 K2.11 | length 13.3
  Top Layer w0.381: K1.13 18.796,-1.016 23.876,4.064 K2.11
NetK2_4: K2.4 R4_0603.2 R4_0805.2 U2.3 | length 18.4
  Top Layer w0.381: K2.4 20.574,11.176 R4_0603.2 R4_0805.2 25.729,11.101 35.149,11.101 35.372,10.878 U2.3
NetK2_8: K2.8 K3.4 | length 17.4
  Top Layer w0.381: K3.4 18.796,19.304 23.368,14.732 24.892,14.732 26.67,12.954 K2.8
NetK2_9: K2.9 K3.13 | length 28.7
  Top Layer w0.381: K3.13 16.987,16.256 16.764,16.033 16.764,3.779 16.987,3.556 19.812,3.556 23.114,6.858 27.432,6.858 K2.9
NetK2_13: K2.13 R2.1 U2.4 | length 26.2
  Top Layer w0.381: K2.13 21.082,7.62 29.718,7.62 33.782,3.556 35.372,3.556 ; U2.4 35.372,3.556 ; R2.1 35.372,3.556
NetK3_6: K3.6 R3c.2 | length 2
  Top Layer w0.381: R3c.2 K3.6
NetK3_8: K3.8 R3d_0603.2 R3d_0805.2 | length 4.5
  Top Layer w0.381: R3d_0603.2 27.294,23.876 K3.8@28.448,23.876 ; R3d_0805.2 28.448,22.098 28.448,23.154 28.689,23.395 28.689,23.635 K3.8@28.448,23.876 ; K3.8@28.448,23.876 K3.8 K3.8@28.448,23.876
NetK3_9: K3.9 R1d.2 | length 1.8
  Top Layer w0.381: K3.9 R1d.2
NetK3_11: K3.11 R1c.2 | length 1.8
  Top Layer w0.381: K3.11 R1c.2
NetOn1_1: On1.1 RLED.2 | length 1.7
  Top Layer w0.381: RLED.2 On1.1
NetP1_2: P1.2 TP6.TP1 VR1.1 | length 68.3
  Top Layer w0.381: TP6.TP1 40.386,26.67 40.894,27.178 63.5,27.178 65.532,25.146 65.532,3.934 65.024,3.426 65.024,-2.032 65.024,-4.826 ; VR1.1 60.173,-6.121 61.468,-4.826 65.024,-4.826 ; P1.2@65.024,-7.112 65.024,-4.826
NetP2_1: P2.1 VR2.2 | length 15.2
  Top Layer w0.381: P2.1 51.085,-4.572 51.308,-4.349 51.308,1.047 51.531,1.27 56.165,1.27 56.388,1.047 56.388,-0.787 VR2.2
NetP2_2: P2.2 VR1.3 | length 5.1
  Top Layer w0.381: P2.2 52.745,-7.137 53.594,-6.288 VR1.3
NetP3_1: P3.1 R4.1 U4.4 | length 11.3
  Top Layer w0.381: R4.1 41.211,-5.395 45.751,-5.395 45.974,-5.171 U4.4 45.974,-2.001 46.197,-1.778 P3.1
NetP3_2: P3.2 R3.2 | length 2.2
  Top Layer w0.381: R3.2 46.864,0.775 49.009,0.775 P3.2
NetP4_3: P4.3 RMOS2.1 | length 4.6
  Top Layer w0.381: P4.3 RMOS2.1
NetP4_4: P4.4 RMOS3.1 | length 13.2
  Top Layer w0.381: P4.4 2.063,7.62 2.286,7.843 2.286,16.002 2.54,16.256 RMOS3.1
NetP4_5: P4.5 RMOS4.1 | length 13.8
  Top Layer w0.381: P4.5 0,22.129 0.223,22.352 RMOS4.1
NetQ1_1: Q1.1 Q2.1 Q3.1 RMOS1.2 | length 21.7
  Top Layer w0.381: RMOS1.2 47.244,11.938 ; Q3.1 47.244,11.938 ; Q2.1 51.054,11.938 ; Q1.1 54.864,11.715 54.641,11.938 51.054,11.938 ; 47.244,11.938 51.054,11.938
NetQ1_2: Q1.2 Q2.2 Q3.2 R5.2 TP3.TP1 U3.4 | length 51.5
  Top Layer w0.381: U3.4 41.656,4.541 42.641,3.556 49.144,3.556 ; Q3.2 49.144,3.556 ; TP3.TP1 51.816,21.463 52.959,20.32 v1@52.959,18.161 ; Q2.2 v2(52.954,4.445) v2@52.954,3.556 ; 56.738,3.556 R5.2 ; Q1.2 56.727,7.583 56.727,6.946 56.7,6.919 56.7,3.556 v2@52.954,3.556 ; 49.144,3.556 v2@52.954,3.556
  Bottom Layer w0.381: v2(52.954,4.445) 52.957,4.447 52.957,18.159 v1@52.959,18.161
  other v1: 52.954,17.272
NetQ1_3: Q1.3 Q2.3 Q3.3 RL.1 TP2.TP1 | length 71.7
  Top Layer w0.381: Q3.3 48.194,10.953 48.417,11.176 49.815,11.176 50.038,10.953 50.038,6.065 50.261,5.842 51.781,5.842 52.004,6.065 Q2.3 52.004,10.953 52.227,11.176 53.625,11.176 53.848,10.953 53.848,6.065 54.071,5.842 55.591,5.842 55.814,6.065 Q1.3 55.811,9.393 55.811,11.715 56.035,11.938 59.213,11.938 59.436,11.715 RL.1 v1(59.436,7.112) ; TP2.TP1 55.626,25.685 55.849,25.908 62.992,25.908 64.008,24.892 v1(64.008,7.112)
  Bottom Layer w0.381: v1(59.436,7.112) v1(64.008,7.112)
NetQ4_1: Q4.1 RMOS2.2 | length 2.3
  Top Layer w0.381: RMOS2.2 4.638,2.728 Q4.1
NetQ5_1: Q5.1 RMOS3.2 | length 2.3
  Top Layer w0.381: RMOS3.2 4.892,13.904 Q5.1
NetQ6_1: Q6.1 RMOS4.2 | length 5.3
  Top Layer w0.381: RMOS4.2 1.966,24.826 Q6.1
NetR1a_1: R1a.1 R1b.1 R1c.1 R1d.1 R4.2 TP4.TP1 TP?.TP1 U4.1 | length 197.3
  Top Layer w0.381: TP?.TP1 -15.24,12.573 0.635,28.448 34.321,28.448 34.544,28.225 34.544,20.701 ; R1a.1 21.813,-2.541 21.59,-2.764 21.59,-8.128 ; R1d.1 26.416,19.434 ; R1b.1 31.496,-8.128 ; v1(34.544,12.446) 31.75,12.446 29.718,14.478 27.178,14.478 26.416,15.24 26.416,19.434 ; v1(34.544,17.272) 34.544,20.701 ; R4.2 41.148,-8.128 ; U4.1 44.039,-6.639 44.039,-7.905 43.816,-8.128 41.148,-8.128 ; TP4.TP1 44.196,21.717 43.18,20.701 34.544,20.701 ; 21.59,-8.128 14.955,-8.128 14.732,-7.905 14.732,25.177 14.955,25.4 20.097,25.4 20.32,25.177 20.32,20.066 20.952,19.434 R1c.1 26.416,19.434 ; 21.59,-8.128 31.496,-8.128 ; 31.496,-8.128 41.148,-8.128
  Bottom Layer w0.381: v1(34.544,12.446) v1(34.544,17.272)
NetR1a_2: R1a.2 R1a_adj.1 | length 1.5
  Top Layer w0.381: R1a_adj.1 R1a.2@25.276,-2.554
NetR2_2: R2.2 U2.1 U3.3 | length 10.7
  Top Layer w0.381: U2.1@37.287,9.921 39.994,9.921 ; R2.2 39.994,3.57 39.994,9.921 ; U3.3 41.641,9.921 39.994,9.921
NetRMOS1_1: RMOS1.1 U3.1 | length 2.9
  Top Layer w0.381: U3.1 43.556,11.635 43.859,11.938 RMOS1.1
NetU4_3: U4.3 VR1.2 | length 13.9
  Top Layer w0.381: U4.3 45.974,-8.087 46.368,-8.482 55.74,-8.482 56.134,-8.087 VR1.2
VCC: *.1 C2.2 C3.2 C4.2 C5.2 D1.2 D2.2 D3.2 K1.16 K2.16 K3.16 P1.1 P4.2 R6.1 RL.2 RLED.1 TP1.TP1 U2.5 U3.5 U4.5 Zen1.1 | length 383.3
  Top Layer w0.381: P4.2 -2.063,2.54 -2.286,2.763 -2.286,18.034 -2.286,22.098 -2.286,24.13 ; D1.2 8.214,-5.842 K1.16 11.242,-5.776 12.424,-5.776 12.698,-5.501 12.698,1.01 12.7,1.011 12.7,2.779 12.698,2.781 12.698,5.334 ; D2.2 8.214,5.334 K2.16 12.698,5.334 ; D3.2 8.255,16.215 8.296,16.256 K3.16 ; K3.16@11.177,16.255 12.698,16.255 ; R6.1 38.354,-6.604 39.421,-5.537 39.421,-3.026 39.645,-2.802 43.688,-2.802 ; U2.5 U2.5@37.305,7.303 ; v1@37.338,5.334 v1(37.305,5.367) U2.5@37.305,7.303 ; v1(37.338,17.272) 37.338,15.494 ; C2.2 38.781,7.255 37.353,7.255 U2.5@37.305,7.303 ; C3.2 43.688,-1.59 ; U3.5 U3.5@43.622,7.24 ; v1@43.622,5.4 U3.5@43.622,7.24 ; v1(43.688,0.508) 43.688,-1.59 ; v1(43.688,5.334) v1(46.99,5.334) ; U4.5 44.074,-3.026 43.851,-2.802 43.688,-2.802 ; C4.2 45.146,7.24 U3.5@43.622,7.24 ; v1(46.99,17.272) 46.99,15.494 ; TP1.TP1 RL.2 59.436,15.717 59.213,15.494 46.99,15.494 ; C5.2 67.341,-9.144 67.564,-8.921 P1.1@67.564,-7.112 ; *.1 69.391,5.71 67.564,5.71 ; Zen1.1 67.564,-4.953 ; RLED.1 69.597,-7.237 67.816,-7.237 67.753,-7.301 P1.1@67.564,-7.112 ; -2.286,24.13 -13.208,13.208 -13.208,5.938 -13.431,5.715 -16.922,5.715 -17.145,5.938 -17.145,12.074 0.209,29.429 63.789,29.429 66.548,26.67 66.548,5.933 66.771,5.71 67.564,5.71 ; -2.286,24.13 1.016,27.432 12.7,27.432 ; 12.698,5.334 12.698,12.186 12.7,12.187 12.7,13.955 12.698,13.957 12.698,16.255 ; 12.698,16.255 12.698,20.901 12.7,20.903 12.7,27.432 ; 12.7,27.432 32.797,27.432 33.02,27.209 33.02,15.717 33.243,15.494 37.338,15.494 ; 37.338,15.494 46.99,15.494 ; 43.688,-2.802 43.688,-1.59 ; P1.1@67.564,-7.112 67.564,-4.953 ; 67.564,-4.953 67.564,-2.032 67.564,5.71
  Bottom Layer w0.381: v1(37.305,5.367) 37.305,17.239 v1(37.338,17.272) ; v1(43.688,0.508) v1@43.688,5.08 ; v1@46.99,5.08 v1(46.99,17.272)
Vref: C1.2 R3.1 R3a.1 R3b_0603.1 R3b_0805.1 R3c.1 R3d_0603.1 R3d_0805.1 R6.2 U1.1 U1.2 VR2.1 | length 129.2
  Top Layer w0.381: R3c.1 22.476,26.416 25.671,26.416 ; R3a.1 27.62,0.254 28.995,-1.121 33.274,-1.121 ; R3d_0603.1 25.894,21.858 R3d_0805.1 ; R3d_0603.1@25.894,23.876 25.894,26.193 25.671,26.416 ; R3b_0603.1 33.274,0.254 ; C1.2 33.274,-4.318 ; R6.2 33.274,-6.604 33.274,-4.318 ; U1.2 33.274,-2.54 ; U1.1 34.732,-0.574 33.274,-0.574 ; VR2.1 58.928,-0.787 58.928,2.286 ; 25.671,26.416 31.781,26.416 32.004,26.193 32.004,14.837 32.227,14.614 61.363,14.614 62.357,13.62 62.357,2.355 47.045,2.355 R3.1 46.659,2.355 33.597,2.355 R3b_0805.1 33.274,0.254 ; 33.274,-4.318 33.274,-2.54 ; 33.274,-2.54 33.274,-1.121 ; 33.274,-1.121 33.274,-0.574 ; 33.274,-0.574 33.274,0.254
pads on no net: *.6
copper on no net: | length 280
  Top Layer w0.254: -20,-13 75,-13 75,32 -20,32 -20,-13

## Polygon pours and split planes (outlines as drawn)
VCC on Top Layer "VCC_L01_P001" (solid, remove dead copper, pour order 1): -17.399,11.938 0.092,29.429 63.789,29.429 66.548,26.67 66.548,13.716 76.327,13.716 74.041,-10.541 73.787,-10.795 72.898,-9.906 -4.064,-9.906 -4.064,-18.796 -3.683,-18.796 82.042,-18.796 82.042,49.149 81.026,50.165 77.089,46.228 -22.86,46.228 -22.86,10.969
VCC on Top Layer "VCC_L01_P000" (solid, remove dead copper, pour order 0): -20,-13 -2.494,-13 -2.413,-13.081 -2.286,-12.954 -2.286,24.13 -13.208,13.208 -13.208,5.938 -13.431,5.715 -16.922,5.715 -17.145,5.938 -17.145,12.074 -20.057,12.074 -20.066,12.065

## Other copper
Top Layer:
  drawing of 37 lines, arcs and shapes, not listed
  text "Nhóm 6 DTUD" at -16.422,14.098 h3.5 r45

## Text inside footprints (layer, text, board x,y; h text height)
*: Mechanical 13 "PCB END" at 73.4,13 h0.61 r90